# Altium PCB Evaluation Board.PcbDoc (part 8 of 22)
Units mm, origin at the board's own origin, x right, y up, seen from the top; angles counter-clockwise.
Board outline 200 x 200 mm, 4 copper layers (Top Layer, GND, Power, Bottom Layer), stack 1.56 mm thick; 639 components, 758 nets, 3043 pads, 1306 vias.
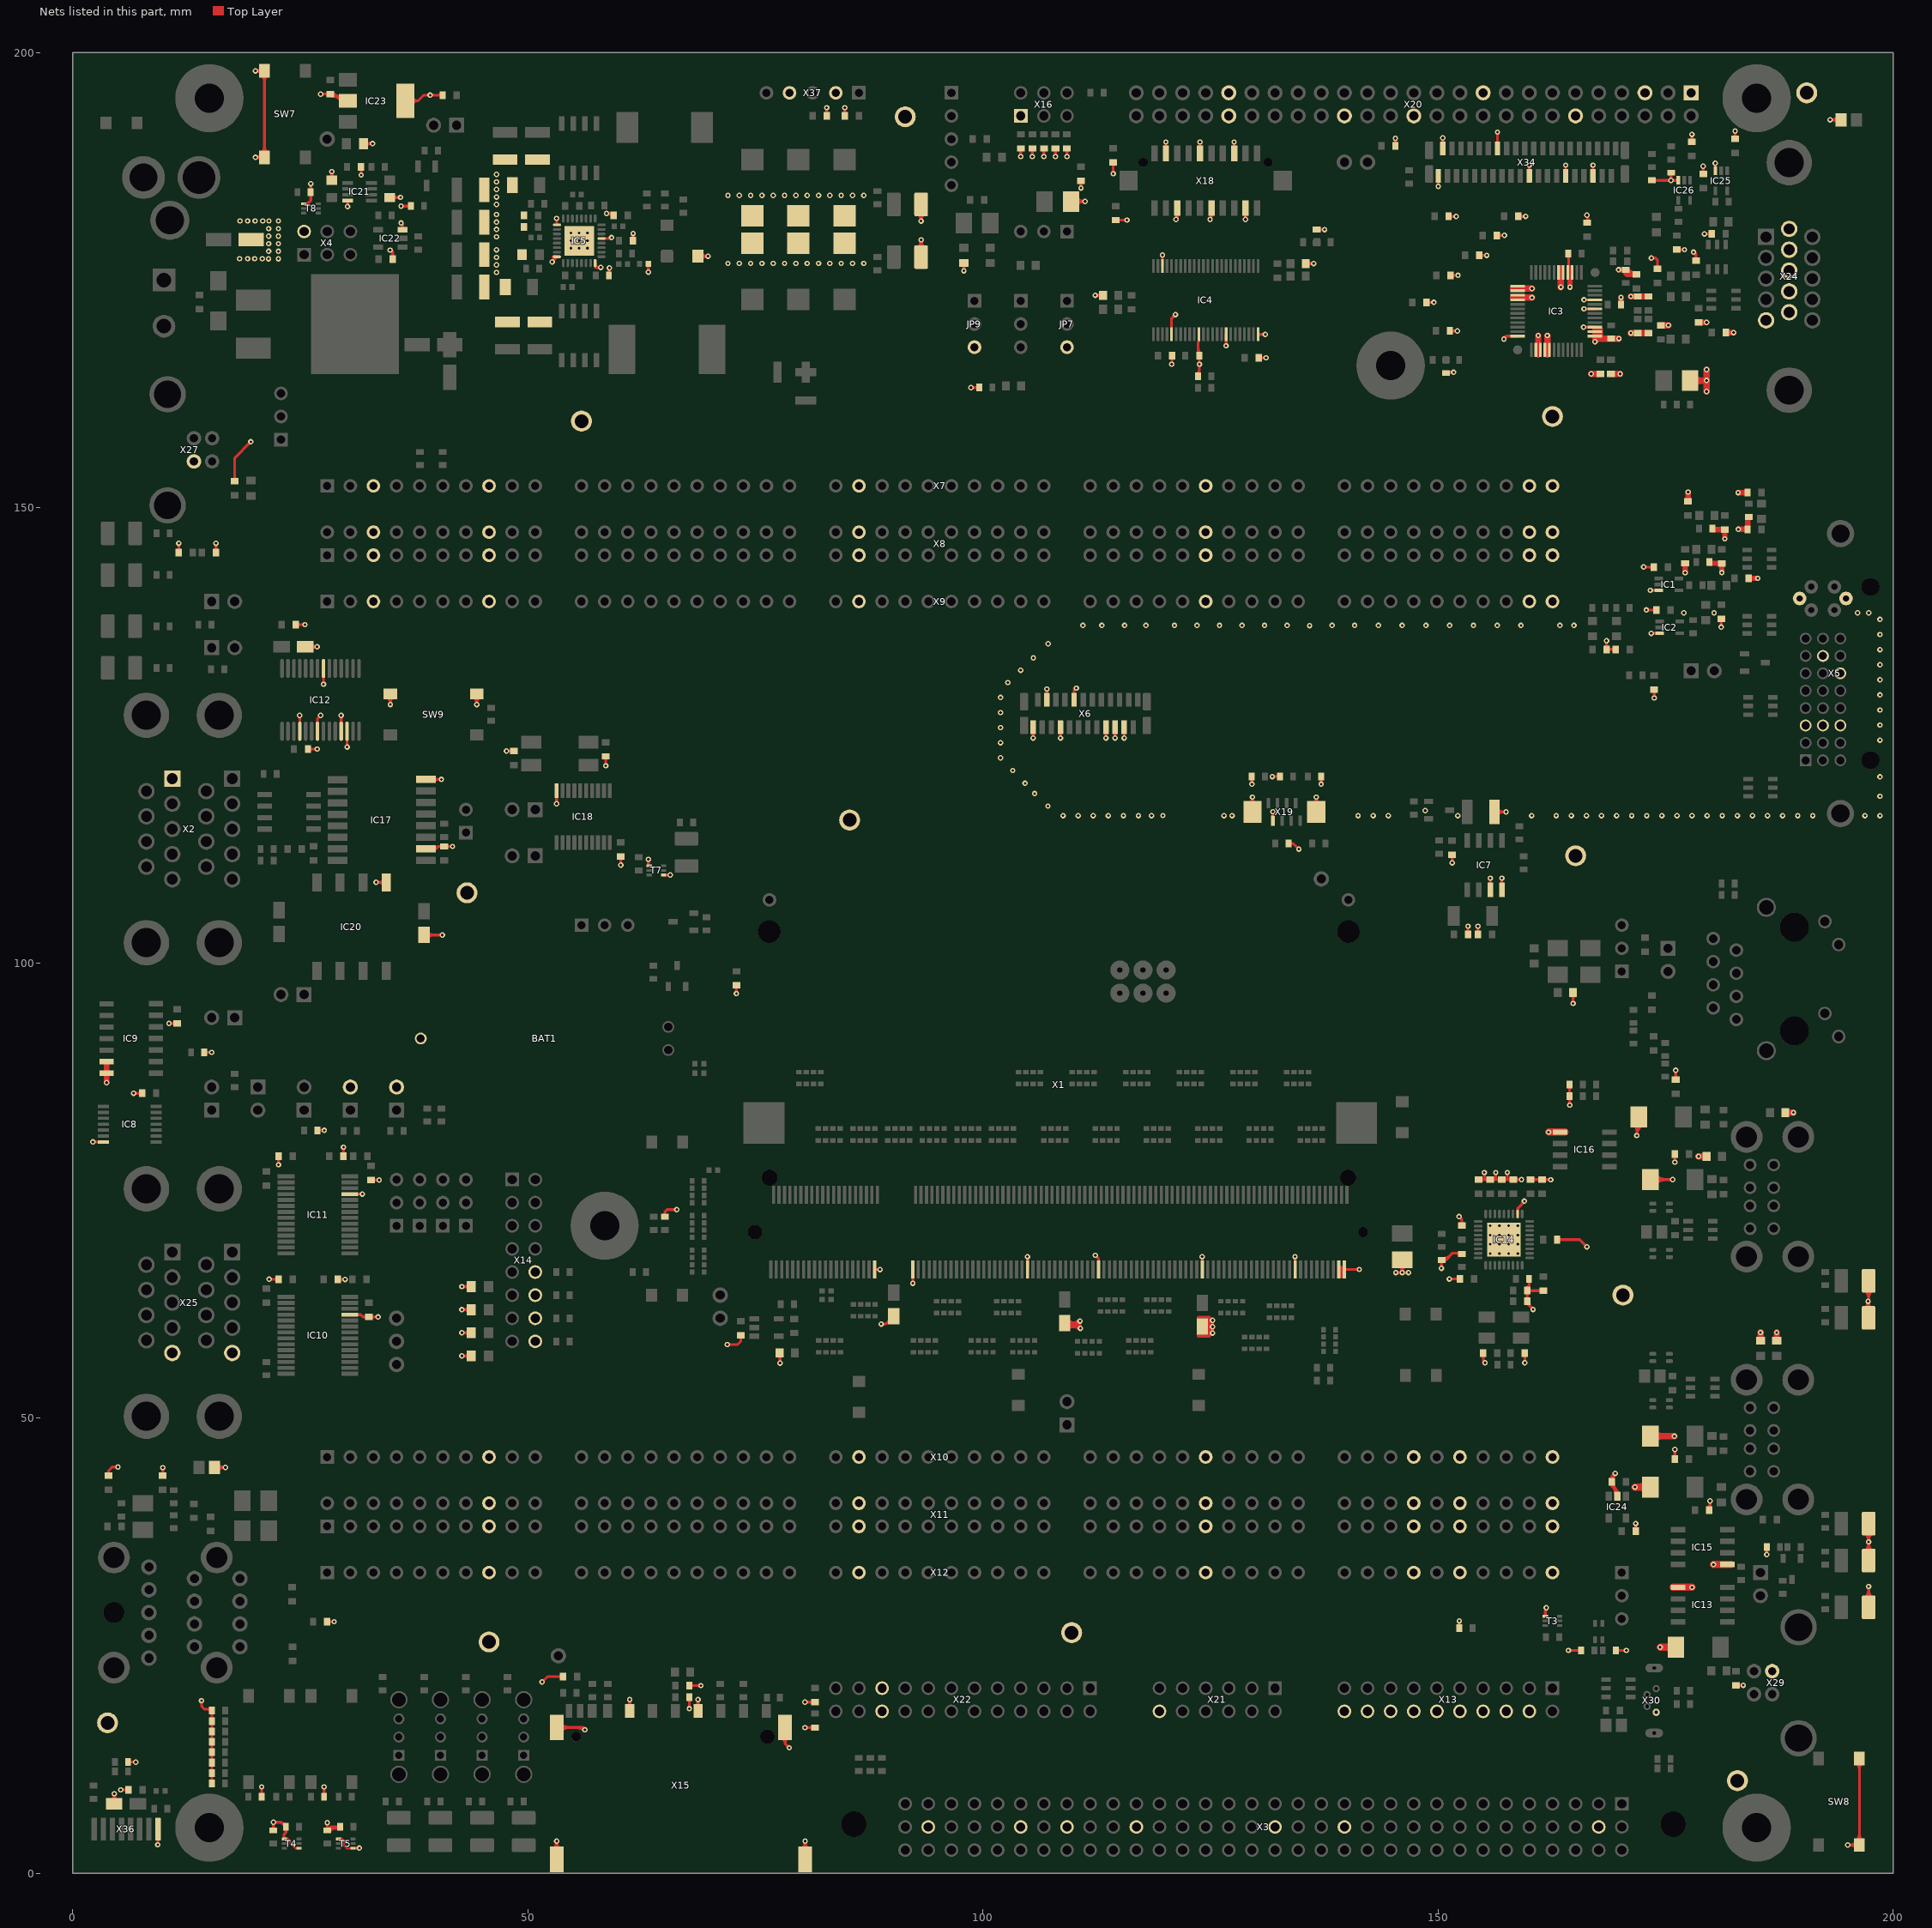
[diagram p10: the nets of this part, all layers, seen from the top]

## Via types
v1: diameter 0.6, hole 0.3, Top Layer to Bottom Layer, 1222 vias
v2: diameter 0.6, hole 0.3, Top Layer to Bottom Layer, tented both sides, 84 vias

## Nets (pads, with @x,y where several pads share a name; then routed paths per layer and width w, separated by ;. In a path a pad name is that pad's centre, name@x,y a point inside that pad or via, vN(x,y) a via of type N, cw(c..) or ccw(c..) an arc to the next point about the centre after c; other vN are vias at no path point) (continued)
GND: (continued)
  Top Layer w0.3: v1(2.2,80.325) IC8.7@3.344,80.325 ; v1@2.306,80.219 cw(c2.562,79.963) 2.562,80.325 ; v1@2.306,80.431 ccw(c2.562,80.687) 2.562,80.325 ; C11.2@3.769,43.81 ccw(c3.427,44.152) 3.91,44.152 ccw(c4.393,44.152) C11.2@4.051,43.81 ; C11.2@3.91,43.669 3.91,44.21 4.325,44.625 v1(4.95,44.625) ; C179.2@4.215,7.965 ccw(c3.494,8.725) v1@4.542,8.725 ; C179.2@4.542,7.62 v1@4.542,8.725 ; v1@4.844,44.519 ccw(c4.588,44.263) 4.588,44.625 ccw(c4.588,44.987) v1@4.844,44.731 ; C179.2@4.869,7.965 cw(c5.59,8.725) v1@4.542,8.725 ; v1(5.25,9.15) 5.256,9.144 C178.1@6.192,9.144 ; C178.1@5.951,9.003 ccw(c5.609,8.661) 5.609,9.144 ccw(c5.609,9.627) C178.1@5.951,9.285 ; R151.1@6.059,12.209 v1@6.9,12.209 ; R151.1@6.183,12.085 cw(c6.481,11.787) 6.481,12.209 cw(c6.481,12.632) R151.1@6.183,12.333 ; 6.572,12.209 ccw(c6.572,12.523) v1@6.794,12.301 ; v1(6.676,85.681) 6.682,85.675 C177.1@7.594,85.675 ; v1@6.782,85.575 cw(c7.023,85.333) 7.023,85.675 ; v1@6.782,85.787 ccw(c7.052,86.058) 7.052,85.675 ; C177.1@7.452,85.534 ccw(c7.111,85.192) 7.111,85.675 ccw(c7.111,86.158) C177.1@7.452,85.816 ; X36.8@9.236,3.77 cw(c8.98,3.514) 9.342,3.514 cw(c9.704,3.514) X36.8@9.448,3.77 ; v1(9.325,3.125) 9.342,3.142 X36.8@9.342,4.826 ; C8.1@9.727,43.811 ccw(c9.385,44.153) 9.868,44.153 ccw(c10.351,44.153) C8.1@10.009,43.811 ; v1@9.762,44.44 cw(c9.506,44.184) 9.868,44.184 cw(c10.23,44.184) v1@9.974,44.44 ; C8.1@9.868,43.67 v1(9.868,44.546) ; v1(10.552,93.35) C97.2@11.453,93.35 ; C97.2@11.231,93.208 ccw(c10.889,92.867) 10.889,93.35 ccw(c10.89,93.832) C97.2@11.231,93.491 ; C113.1@11.492,145.297 ccw(c11.15,145.639) 11.633,145.639 ccw(c12.116,145.639) C113.1@11.774,145.297 ; v1@11.527,145.993 cw(c11.271,145.737) 11.633,145.737 cw(c11.995,145.737) v1@11.739,145.993 ; C113.1@11.633,145.081 v1(11.633,146.099) ; v1@14.019,18.844 cw(c13.763,18.588) 14.125,18.588 cw(c14.487,18.588) v1@14.231,18.844 ; v1(14.125,18.95) 14.125,18.35 14.468,18.007 R180.1@15.277,18.007 ; R58.1@14.431,90.175 15.247,90.175 v1(15.25,90.172) ; R58.1@14.555,90.051 cw(c14.854,89.753) 14.854,90.175 cw(c14.854,90.598) R58.1@14.555,90.299 ; 14.734,18.007 cw(c14.734,17.414) R180.1@15.153,17.833 ; R122.1@15.137,10.083 ccw(c14.838,10.381) 15.261,10.381 ccw(c15.683,10.381) R122.1@15.385,10.083 ; R129.1@15.137,10.778 cw(c14.838,10.479) 15.261,10.479 cw(c15.683,10.479) R129.1@15.385,10.778 ; R129.1@15.137,11.225 ccw(c14.839,11.524) 15.261,11.524 ccw(c15.683,11.524) R129.1@15.385,11.225 ; R126.1@15.137,11.92 cw(c14.838,11.622) 15.261,11.622 cw(c15.683,11.622) R126.1@15.385,11.92 ; R126.1@15.137,12.368 ccw(c14.838,12.666) 15.261,12.666 ccw(c15.683,12.666) R126.1@15.385,12.368 ; R123.1@15.137,13.063 cw(c14.838,12.764) 15.261,12.764 cw(c15.683,12.764) R123.1@15.385,13.063 ; R123.1@15.137,13.51 ccw(c14.839,13.809) 15.261,13.809 ccw(c15.683,13.809) R123.1@15.385,13.51 ; R183.1@15.153,14.205 cw(c14.893,13.945) 15.261,13.945 ; R183.1@15.153,14.653 ccw(c14.893,14.913) 15.261,14.913 ; R182.1@15.153,15.348 cw(c14.893,15.088) 15.261,15.088 ; R182.1@15.153,15.795 ccw(c14.893,16.056) 15.261,16.056 ; R181.1@15.153,16.491 cw(c14.893,16.23) 15.261,16.23 ; R181.1@15.153,16.938 ccw(c14.893,17.198) 15.261,17.198 ; R180.1@15.153,17.633 cw(c14.893,17.373) 15.261,17.373 ; R122.1@15.261,9.859 R180.1@15.261,17.857 ; 15.261,13.868 cw(c15.738,13.868) R183.1@15.401,14.205 ; 15.261,14.99 ccw(c15.738,14.99) R183.1@15.401,14.653 ; 15.261,15.011 cw(c15.738,15.011) R182.1@15.401,15.348 ; 15.261,16.133 ccw(c15.738,16.133) R182.1@15.401,15.795 ; 15.261,16.153 cw(c15.738,16.153) R181.1@15.401,16.491 ; 15.261,17.275 ccw(c15.738,17.275) R181.1@15.401,16.938 ; 15.261,17.296 cw(c15.738,17.296) R180.1@15.401,17.633 ; L23.2@15.556,44.573 v1(16.747,44.571) v1(16.747,44.571) ; C112.1@15.582,145.297 ccw(c15.24,145.639) 15.723,145.639 ccw(c16.206,145.639) C112.1@15.864,145.297 ; v1@15.617,145.993 cw(c15.361,145.737) 15.723,145.737 cw(c16.085,145.737) v1@15.829,145.993 ; C112.1@15.723,145.081 v1(15.723,146.099) ; L23.2@15.874,44.255 cw(c16.642,43.487) 16.642,44.573 cw(c16.642,45.659) L23.2@15.874,44.891 ; 16.381,44.573 cw(c16.381,44.204) v1@16.641,44.465 ; 16.39,44.573 ccw(c16.39,44.928) v1@16.641,44.677 ; C110.1@17.639,153.056 ccw(c17.297,153.398) 17.78,153.398 ccw(c18.263,153.398) C110.1@17.921,153.056 ; C110.1@17.78,152.915 17.78,155.475 v1(19.55,157.245) ; v1@19.4,157.245 cw(c19.038,157.245) 19.294,156.989 cw(c19.55,156.733) v1@19.55,157.095 ; v1(20.048,188.492) v1@20.052,188.496 ; v1(20.048,197.992) v1@20.052,197.996 ; R133.1@20.616,8.606 ccw(c20.317,8.904) 20.74,8.904 ccw(c21.162,8.904) R133.1@20.864,8.606 ; v1@20.634,9.381 cw(c20.378,9.125) 20.74,9.125 cw(c21.102,9.125) v1@20.846,9.381 ; SW7.2@20.711,188.198 ccw(c20.052,187.617) v1@20.052,188.496 ; SW7.2@20.711,188.794 cw(c20.052,189.375) v1@20.052,188.496 ; SW7.1@20.711,197.698 ccw(c20.052,197.117) v1@20.052,197.996 ; SW7.1@20.711,198.294 cw(c20.052,198.875) v1@20.052,197.996 ; SW7.2@20.731,188.964 ccw(c19.962,189.732) 21.049,189.732 ccw(c22.135,189.732) SW7.2@21.367,188.964 ; SW7.1@20.731,197.528 cw(c19.962,196.76) 21.049,196.76 cw(c22.135,196.76) SW7.1@21.367,197.528 ; R133.1@20.74,8.382 v1(20.74,9.487) ; v1(21.559,65.243) C101.2@22.588,65.243 ; v1@21.665,65.137 cw(c21.921,64.881) 21.921,65.243 cw(c21.921,65.605) v1@21.665,65.349 ; R125.1@21.873,4.825 ccw(c21.505,5.193) 22.025,5.193 ; v1@21.919,5.494 cw(c21.663,5.238) 22.025,5.238 cw(c22.387,5.238) 22.131,5.494 cw(c22.387,5.238) 22.387,5.6 cw(c22.387,5.962) v1@22.131,5.706 ; R125.1@21.996,4.701 22.025,4.73 v1(22.025,5.6) 22.885,5.6 R121.1@23.405,5.08 23.405,4.48 23.2,4.275 23.2,3.79 T4.4@23.238,3.751 23.598,3.751 23.933,3.415 23.933,3.277 24.459,2.751 T4.1@24.818,2.751 ; 22.025,5.055 ccw(c22.35,5.055) R125.1@22.12,4.825 ; C101.2@22.447,65.101 ccw(c22.105,64.76) 22.105,65.243 ccw(c22.105,65.726) C101.2@22.447,65.384 ; C100.2@22.447,78.524 cw(c22.105,78.182) 22.588,78.182 cw(c23.071,78.182) C100.2@22.729,78.524 ; v1(22.588,77.824) C100.2@22.588,78.853 ; 22.936,5.549 ccw(c23.405,6.019) R121.1@23.405,5.355 ; R121.1@23.281,4.856 cw(c22.982,4.558) 23.405,4.558 cw(c23.827,4.558) R121.1@23.529,4.856 ; C108.1@24.475,137.16 v1(25.493,137.16) ; C108.1@24.616,137.019 cw(c24.958,136.677) 24.958,137.16 cw(c24.958,137.643) C108.1@24.616,137.301 ; v2@24.808,127.089 cw(c24.526,126.806) 24.925,126.806 ; IC12.18@24.925,125.446 v2@24.925,127.184 ; 24.925,126.859 cw(c25.25,126.859) v2@25.02,127.089 ; T8.1@25.372,183.38 25.78,183.38 26.125,183.725 R93.1@26.125,184.658 v1(26.125,185.591) ; v1@25.387,137.054 ccw(c25.131,136.798) 25.131,137.16 ccw(c25.131,137.522) v1@25.387,137.266 ; T8.1@25.507,183.38 ccw(c25.507,184.039) 25.973,183.573 ; C109.2@25.525,134.721 v1@26.825,134.721 ; C111.1@25.825,123.483 v1(26.844,123.483) ; C111.1@25.967,123.342 cw(c26.308,123.001) 26.308,123.483 cw(c26.308,123.966) C111.1@25.967,123.625 ; R93.1@26.001,184.434 cw(c25.703,184.136) 26.125,184.136 cw(c26.548,184.136) R93.1@26.249,184.434 ; R93.1@26.001,184.882 ccw(c25.703,185.18) 26.125,185.18 ccw(c26.548,185.18) R93.1@26.249,184.882 ; C109.2@26.162,134.414 cw(c26.825,133.853) v1@26.825,134.721 ; C109.2@26.162,135.028 ccw(c26.825,135.589) v1@26.825,134.721 ; v1@26.738,123.377 ccw(c26.482,123.121) 26.482,123.483 ccw(c26.482,123.846) v1@26.738,123.59 ; R172.1@26.85,81.606 27.614,81.606 v1(27.62,81.6) ; IC12.21@26.875,125.446 26.875,126.844 v2(27.226,127.195) ; R172.1@26.974,81.482 cw(c27.272,81.184) 27.272,81.606 cw(c27.272,82.028) R172.1@26.974,81.73 ; v2@27.076,127.195 cw(c26.714,127.195) 26.97,126.939 cw(c27.226,126.683) v2@27.226,127.045 ; v1(27.225,195.425) 27.244,195.444 C171.1@28.294,195.444 28.731,195.444 ; v1@27.331,195.319 cw(c27.633,195.017) 27.633,195.444 ; v1@27.331,195.531 ccw(c27.541,195.741) 27.541,195.444 ; v2@27.43,130.704 ccw(c27.201,130.934) 27.525,130.934 ; R132.1@27.474,8.606 ccw(c27.175,8.904) 27.598,8.904 ccw(c28.02,8.904) R132.1@27.722,8.606 ; v1@27.492,9.381 cw(c27.236,9.125) 27.598,9.125 cw(c27.96,9.125) v1@27.704,9.381 ; v2@27.525,130.609 IC12.7@27.525,132.346 ; 27.525,130.987 ccw(c27.925,130.987) v2@27.643,130.704 ; R132.1@27.598,8.382 v1(27.598,9.487) ; R131.1@27.816,4.825 ccw(c27.518,5.124) 27.94,5.124 ccw(c28.362,5.124) R131.1@28.064,4.825 ; v1@27.844,5.444 cw(c27.612,5.212) 27.94,5.212 ; C3.1@27.943,27.619 28.695,27.619 v1(28.7,27.625) ; v1(27.95,5.55) 27.94,5.54 R131.1@27.94,4.701 28.319,5.08 ; R131.1@27.952,4.79 cw(c28.652,4.091) 28.652,5.08 ; C171.1@28.078,195.303 ccw(c27.736,194.961) 27.736,195.444 ccw(c27.736,195.927) C171.1@28.078,195.586 ; C3.1@28.084,27.478 cw(c28.425,27.137) 28.425,27.619 cw(c28.425,28.102) C3.1@28.084,27.761 ; R131.1@28.164,4.578 cw(c29.375,3.369) R128.1@29.375,5.08 28.319,5.08 ; C168.1@28.201,186.231 ccw(c27.603,186.829) 28.448,186.829 ccw(c29.293,186.829) C168.1@28.695,186.231 ; R131.1@28.212,4.734 cw(c28.593,4.806) 28.319,5.08 ; C171.1@28.369,195.244 cw(c28.369,193.888) IC23.2@29.328,194.847 ; C171.1@28.369,195.544 cw(c28.369,194.912) 28.816,195.359 ; C168.1@28.448,185.984 v1(28.448,186.927) ; C171.1@28.538,195.338 cw(c28.731,195.217) 28.731,195.444 ; C171.1@28.538,195.551 ccw(c28.731,195.671) 28.731,195.444 ; 28.717,4.904 cw(c28.911,4.177) R128.1@29.287,4.828 ; 29.046,195.129 ccw(c29.565,195.647) IC23.2@29.849,194.972 ; C98.1@29.131,65.225 v1(29.904,65.225) ; T5.4@29.182,3.751 29.541,3.751 29.8,3.492 29.8,3.025 30.074,2.751 T5.1@30.762,2.751 31.474,2.751 v1(31.475,2.75) ; C98.1@29.247,65.101 cw(c29.546,64.803) 29.546,65.225 ; C98.1@29.247,65.384 ccw(c29.632,65.769) v1@29.632,65.225 ; R128.1@29.251,4.956 ccw(c28.952,4.658) 28.952,5.08 ccw(c28.952,5.503) R128.1@29.251,5.204 ; v2@29.358,127.089 cw(c29.076,126.806) 29.475,126.806 ; IC12.25@29.475,125.446 v2@29.475,127.184 ; 29.475,126.859 cw(c29.8,126.859) v2@29.57,127.089 ; C99.1@29.565,78.956 ccw(c29.163,79.358) 29.731,79.358 ; v1@29.625,79.648 cw(c29.369,79.392) 29.731,79.392 cw(c30.093,79.392) v1@29.837,79.648 ; C99.1@29.731,78.725 v1(29.731,79.754) ; 29.731,79.238 ccw(c30.129,79.238) C99.1@29.847,78.956 ; IC23.2@29.733,195.248 cw(c29.378,196.091) 28.731,195.444 ; v1@30.019,123.815 ccw(c29.763,124.071) 30.125,124.071 ccw(c30.488,124.071) v1@30.231,123.815 ; v1(30.125,123.709) IC12.26@30.125,125.446 ; v1(30.175,183.075) 30.186,183.086 IC21.4@30.186,183.734 ; IC23.2@30.216,194.695 29.48,194.695 28.731,195.444 ; IC10.25@30.419,61.356 31.619,61.356 31.875,61.1 C102.1@32.507,61.1 v1(33.536,61.1) ; IC11.25@30.419,74.616 31.784,74.616 v1(31.8,74.6) ; IC11.25@31.172,74.542 cw(c31.35,74.363) 31.35,74.616 ; C167.1@31.525,187.236 cw(c31.183,186.894) 31.666,186.894 cw(c32.149,186.894) C167.1@31.807,187.236 ; C167.1@31.666,187.452 31.666,186.559 v1(31.675,186.55) ; C172.1@31.938,189.992 32.917,189.992 v1(32.925,190) ; C172.1@32.185,189.745 cw(c32.783,189.147) 32.783,189.992 cw(c32.783,190.837) C172.1@32.185,190.239 ; C102.1@32.291,60.958 ccw(c31.949,60.617) 31.949,61.1 ccw(c31.949,61.583) C102.1@32.291,61.241 ; C102.1@32.723,60.958 cw(c33.065,60.617) 33.065,61.1 cw(c33.065,61.583) C102.1@32.723,61.241 ; C103.1@32.761,76.138 v1@33.65,76.138 ; C103.1@32.977,75.996 cw(c33.319,75.655) 33.319,76.138 cw(c33.319,76.621) C103.1@32.977,76.279 ; v1(33.311,108.85) IC20.1@34.434,108.85 ; v1@33.417,108.744 cw(c33.673,108.488) 33.673,108.85 cw(c33.673,109.212) v1@33.417,108.956 ; v1@33.43,60.994 ccw(c33.174,60.738) 33.174,61.1 ccw(c33.174,61.462) v1@33.43,61.206 ; v1@33.525,108.85 cw(c33.525,107.914) IC20.1@34.187,108.576 ; 33.654,108.85 ccw(c33.654,109.604) IC20.1@34.187,109.071 ; IC20.1@34.434,108.823 IC20.1@34.486,108.875 ; SW9.2@34.556,129.223 cw(c33.788,128.455) 34.874,128.455 cw(c35.96,128.455) SW9.2@35.192,129.223 ; v1@34.769,128.481 ccw(c34.515,128.735) 34.874,128.735 ; C169.1@34.798,184.084 35.984,184.084 v1(36,184.1) ; v1(34.85,178.3) 34.9,178.3 35.141,178.059 ; v1@34.869,178.151 cw(c34.911,177.829) 35.141,178.059 ; 34.874,128.74 ccw(c35.24,128.74) v1@34.981,128.481 ; SW9.2@34.874,129.541 34.874,128.376 v1(34.875,128.375) ; v1@34.955,178.407 cw(c34.521,177.964) 35.141,177.964 ; C170.2@35,177.508 ccw(c34.658,177.85) 35.141,177.85 ccw(c35.624,177.85) C170.2@35.283,177.508 ; C170.2@35.141,177.292 35.141,178.059 ; C169.1@35.145,183.836 cw(c35.743,183.239) 35.743,184.084 cw(c35.743,184.929) C169.1@35.145,184.331 ; 35.599,184.084 ccw(c35.599,184.501) v1@35.894,184.206 ; 35.677,184.084 cw(c35.677,183.777) v1@35.894,183.994 ; v1(36.05,181.275) 36.224,181.101 IC22.3@36.224,180.528 ; v1(36.05,183.125) 36.059,183.134 R59.1@37.121,183.134 ; IC22.3@36.118,180.634 ccw(c35.862,180.89) 36.224,180.89 ccw(c36.586,180.89) IC22.3@36.33,180.634 ; v1@36.156,183.019 cw(c36.434,182.741) 36.434,183.134 ; v1@36.156,183.231 ccw(c36.39,183.465) 36.39,183.134 ; IC23.4@36.516,194.695 37.92,194.695 ; R59.1@36.997,183.01 ccw(c36.699,182.712) 36.699,183.134 ccw(c36.699,183.556) R59.1@36.997,183.258 ; IC23.4@37.269,194.301 cw(c37.92,193.96) 37.92,194.695 ; IC23.4@37.269,195.089 ccw(c37.92,195.43) 37.92,194.695 ; C164.2@38.564,103.064 v1(40.587,103.064) ; IC17.2@38.783,112.532 39.882,112.532 40.139,112.789 ; IC17.8@38.783,120.152 v1(40.486,120.152) ; C164.2@38.9,102.728 cw(c39.711,101.917) 39.711,103.064 cw(c39.711,104.211) C164.2@38.9,103.4 ; v1@39.146,195.22 ccw(c38.89,194.964) 38.89,195.326 ccw(c38.89,195.688) v1@39.146,195.432 ; v1@39.358,195.22 cw(c39.614,194.964) 39.614,195.326 cw(c39.614,195.688) v1@39.358,195.432 ; IC17.2@39.623,112.739 ccw(c39.851,113.077) 40.139,112.789 ; IC17.8@39.66,119.975 cw(c40.086,119.548) 40.086,120.152 cw(c40.086,120.756) IC17.8@39.66,120.329 ; v1@40.38,120.046 ccw(c40.124,119.79) 40.124,120.152 ccw(c40.124,120.514) v1@40.38,120.258 ; v1@40.481,102.958 ccw(c40.225,102.702) 40.225,103.064 ccw(c40.225,103.426) v1@40.481,103.17 ; C166.1@40.486,195.185 ccw(c40.144,194.843) 40.144,195.326 ccw(c40.144,195.809) C166.1@40.486,195.467 ; C160.1@40.574,112.648 ccw(c40.233,112.306) 40.233,112.789 ccw(c40.233,113.272) C160.1@40.574,112.93 ; C166.1@40.627,195.326 v1(39.252,195.326) 38.551,195.326 37.92,194.695 ; C160.1@41.007,112.648 cw(c41.349,112.306) 41.349,112.789 cw(c41.349,113.272) C160.1@41.007,112.93 ; v1(41.705,112.789) C160.1@40.791,112.789 40.139,112.789 ; v1(42.735,56.82) C154.1@43.764,56.82 ; v1(42.735,59.36) C155.1@43.764,59.36 ; v1(42.735,61.9) C156.1@43.764,61.9 ; v1(42.735,64.44) C157.1@43.764,64.44 ; v1@42.841,56.714 cw(c43.097,56.458) 43.097,56.82 cw(c43.097,57.182) v1@42.841,56.926 ; v1@42.841,59.254 cw(c43.097,58.998) 43.097,59.36 cw(c43.097,59.722) v1@42.841,59.466 ; v1@42.841,61.794 cw(c43.097,61.538) 43.097,61.9 cw(c43.097,62.262) v1@42.841,62.006 ; v1@42.841,64.334 cw(c43.097,64.078) 43.097,64.44 cw(c43.097,64.802) v1@42.841,64.546 ; C154.1@43.517,56.572 ccw(c42.919,55.975) 42.919,56.82 ccw(c42.919,57.665) C154.1@43.517,57.067 ; C155.1@43.517,59.112 ccw(c42.919,58.515) 42.919,59.36 ccw(c42.919,60.205) C155.1@43.517,59.607 ; C156.1@43.517,61.652 ccw(c42.919,61.055) 42.919,61.9 ccw(c42.919,62.745) C156.1@43.517,62.147 ; C157.1@43.517,64.192 ccw(c42.919,63.595) 42.919,64.44 ccw(c42.919,65.285) C157.1@43.517,64.687 ; SW9.1@44.056,129.223 cw(c43.288,128.455) 44.374,128.455 cw(c45.46,128.455) SW9.1@44.692,129.223 ; v1@44.269,128.481 ccw(c44.015,128.735) 44.374,128.735 ; 44.374,128.74 ccw(c44.74,128.74) v1@44.481,128.481 ; SW9.1@44.374,129.541 44.374,128.376 v1(44.375,128.375) ; v1(47.639,123.277) C163.1@48.467,123.277 ; C163.1@48.251,123.136 ccw(c47.909,122.794) 47.909,123.277 ccw(c47.909,123.76) C163.1@48.251,123.419 ; v1(51.55,21) 52.14,21.59 C96.1@53.835,21.59 ; v1@51.55,21.15 ccw(c51.55,21.512) 51.806,21.256 ccw(c52.062,21) v1@51.7,21 ; v1(52.654,177.011) 52.654,177.052 IC5.24@53.176,177.574 IC5.24@52.758,177.574 ; v1@52.664,177.062 ccw(c52.152,177.574) IC5.24@52.876,177.574 ; X15.S1@52.741,2.601 ccw(c51.898,3.521) v1@53.146,3.521 ; v1@53.031,117.581 ccw(c52.765,117.847) 53.141,117.847 ; v1@53.044,3.419 cw(c52.798,3.173) 53.146,3.173 ; v1(53.137,117.475) 53.141,117.479 IC18.10@53.141,118.928 ; v1(53.137,181.788) 53.176,181.749 IC5.17@53.176,181.074 ; 53.141,117.827 ccw(c53.489,117.827) v1@53.243,117.581 ; X15.S1@53.146,1.508 v1@53.146,3.521 ; 53.146,3.153 cw(c53.522,3.153) v1@53.256,3.419 ; X15.S4@53.146,16.008 55.992,16.008 v1(56.25,15.75) ; v1(53.15,3.525) v1@53.146,3.521 ; X15.S1@53.551,2.601 cw(c54.394,3.521) v1@53.146,3.521 ; X15.S4@53.57,15.584 cw(c54.595,14.559) 54.595,16.008 cw(c54.595,17.457) X15.S4@53.57,16.432 ; C96.1@53.694,21.449 ccw(c53.352,21.107) 53.352,21.59 ccw(c53.352,22.073) C96.1@53.694,21.731 ; 55.265,16.008 cw(c55.265,14.765) v1@56.144,15.644 ; 55.989,16.008 cw(c55.989,15.489) v1@56.356,15.856 ; v1@56.1,15.75 ccw(c55.738,15.75) 55.994,16.006 ccw(c56.25,16.262) v1@56.25,15.9 ; IC5.32@57.376,176.874 57.376,176.456 57.506,176.327 57.531,176.352 57.937,176.352 v1(57.988,176.403) ; 57.459,176.373 cw(c57.66,176.574) 57.376,176.574 ccw(c57.912,177.11) v1@57.912,176.352 ; IC5.5@58.076,179.574 59.076,179.574 v1(59.182,179.68) 59.207,179.705 v1@59.258,179.705 ; C162.1@58.408,122.542 cw(c58.066,122.2) 58.549,122.2 cw(c59.032,122.2) C162.1@58.69,122.542 ; v1@58.443,121.76 ccw(c58.187,122.016) 58.549,122.016 ccw(c58.911,122.016) v1@58.655,121.76 ; v1(58.549,121.654) C162.1@58.549,122.683 ; R36.1@58.767,175.738 ccw(c58.469,176.036) 58.891,176.036 ccw(c59.314,176.036) R36.1@59.015,175.738 ; R36.1@58.891,175.514 58.891,176.291 v1(58.95,176.35) ; C87.1@59.275,182.037 ccw(c58.625,181.447) v1(58.625,182.325) 59.195,182.325 C87.1@59.423,182.097 ; C159.2@60.057,111.537 cw(c59.715,111.195) 60.198,111.195 cw(c60.681,111.195) C159.2@60.339,111.537 ; v1@60.092,110.845 ccw(c59.836,111.101) 60.198,111.101 ccw(c60.56,111.101) v1@60.304,110.845 ; v1(60.198,110.739) C159.2@60.198,111.653 ; X15.6@60.929,18.305 ccw(c60.331,18.903) 61.176,18.903 ccw(c62.021,18.903) X15.6@61.423,18.305 ; v1@61.069,18.969 cw(c60.81,18.71) 61.176,18.71 ; X15.6@61.176,17.808 v1@61.176,19.074 ; 61.176,18.715 cw(c61.535,18.715) v1@61.281,18.969 ; C74.1@61.402,179.547 ccw(c61.056,179.892) v1@61.545,179.892 ; C74.1@61.545,179.343 v1@61.545,180.125 ; v1@61.545,179.884 ccw(c62.021,179.884) C74.1@61.684,179.547 ; v1@61.545,180.125 v1(61.55,180.125) ; v1@63.119,111.269 cw(c62.863,111.013) 63.225,111.013 cw(c63.587,111.013) v1@63.331,111.269 ; v1@63.122,175.989 ccw(c62.866,176.246) 63.228,176.246 ccw(c63.59,176.246) v1@63.334,175.989 ; C75.1@63.129,176.645 cw(c62.89,176.406) 63.228,176.406 cw(c63.566,176.406) C75.1@63.327,176.645 ; v1(63.225,111.375) 63.225,110.758 T7.4@63.32,110.663 ; v1(63.228,175.883) C75.1@63.228,176.784 ; T7.1@64.9,109.663 65.612,109.663 v1(65.625,109.65) ; R171.2@64.9,72.224 ccw(c64.602,72.522) 65.024,72.522 ccw(c65.446,72.522) R171.2@65.148,72.224 ; R171.2@65.024,72.1 65.024,72.619 65.303,72.898 v1(66.345,72.898) ; v1@66.239,72.792 ccw(c65.983,72.536) 65.983,72.898 ccw(c65.983,73.26) v1@66.239,73.004 ; C94.1@67.585,19.121 cw(c67.243,18.779) 67.726,18.779 cw(c68.209,18.779) C94.1@67.867,19.121 ; v1@67.621,18.176 ccw(c67.367,18.43) 67.726,18.43 ; v1@67.726,18.071 C94.1@67.726,19.337 ; 67.726,18.435 ccw(c68.092,18.435) v1@67.833,18.176 ; C95.1@67.726,20.607 v1@68.992,20.607 ; C95.1@67.867,20.466 cw(c68.209,20.124) 68.209,20.607 cw(c68.209,21.09) C95.1@67.867,20.748 ; X15.3@68.429,18.305 ccw(c67.831,18.903) 68.676,18.903 ccw(c69.521,18.903) X15.3@68.923,18.305 ; v1@68.569,18.969 cw(c68.31,18.71) 68.676,18.71 ; 68.628,20.607 ccw(c68.628,20.973) v1@68.887,20.714 ; 68.633,20.607 cw(c68.633,20.248) v1@68.887,20.502 ; X15.3@68.676,17.808 v1@68.676,19.074 ; 68.676,18.715 cw(c69.035,18.715) v1@68.781,18.969 ; R190.1@68.678,177.624 v1(69.775,177.625) v1(69.775,177.625) ; R190.1@68.996,177.306 cw(c69.764,176.538) 69.764,177.624 cw(c69.764,178.71) R190.1@68.996,177.942 ; v1(71.9,58.075) 73.025,58.075 73.377,58.427 C89.1@73.377,59.09 ; v1@72.006,57.969 cw(c72.262,57.713) 72.262,58.075 cw(c72.262,58.437) v1@72.006,58.181 ; C71.1@72.757,97.382 cw(c72.415,97.04) 72.898,97.04 cw(c73.381,97.04) C71.1@73.039,97.382 ; v1@72.792,96.728 ccw(c72.536,96.985) 72.898,96.985 ccw(c73.26,96.985) v1@73.004,96.728 ; v1(72.898,96.622) C71.1@72.898,97.523 ; C89.1@73.236,58.949 cw(c72.894,58.607) 73.377,58.607 cw(c73.86,58.607) C89.1@73.518,58.949 